# KiCad board PC110.kicad_pcb (continued)
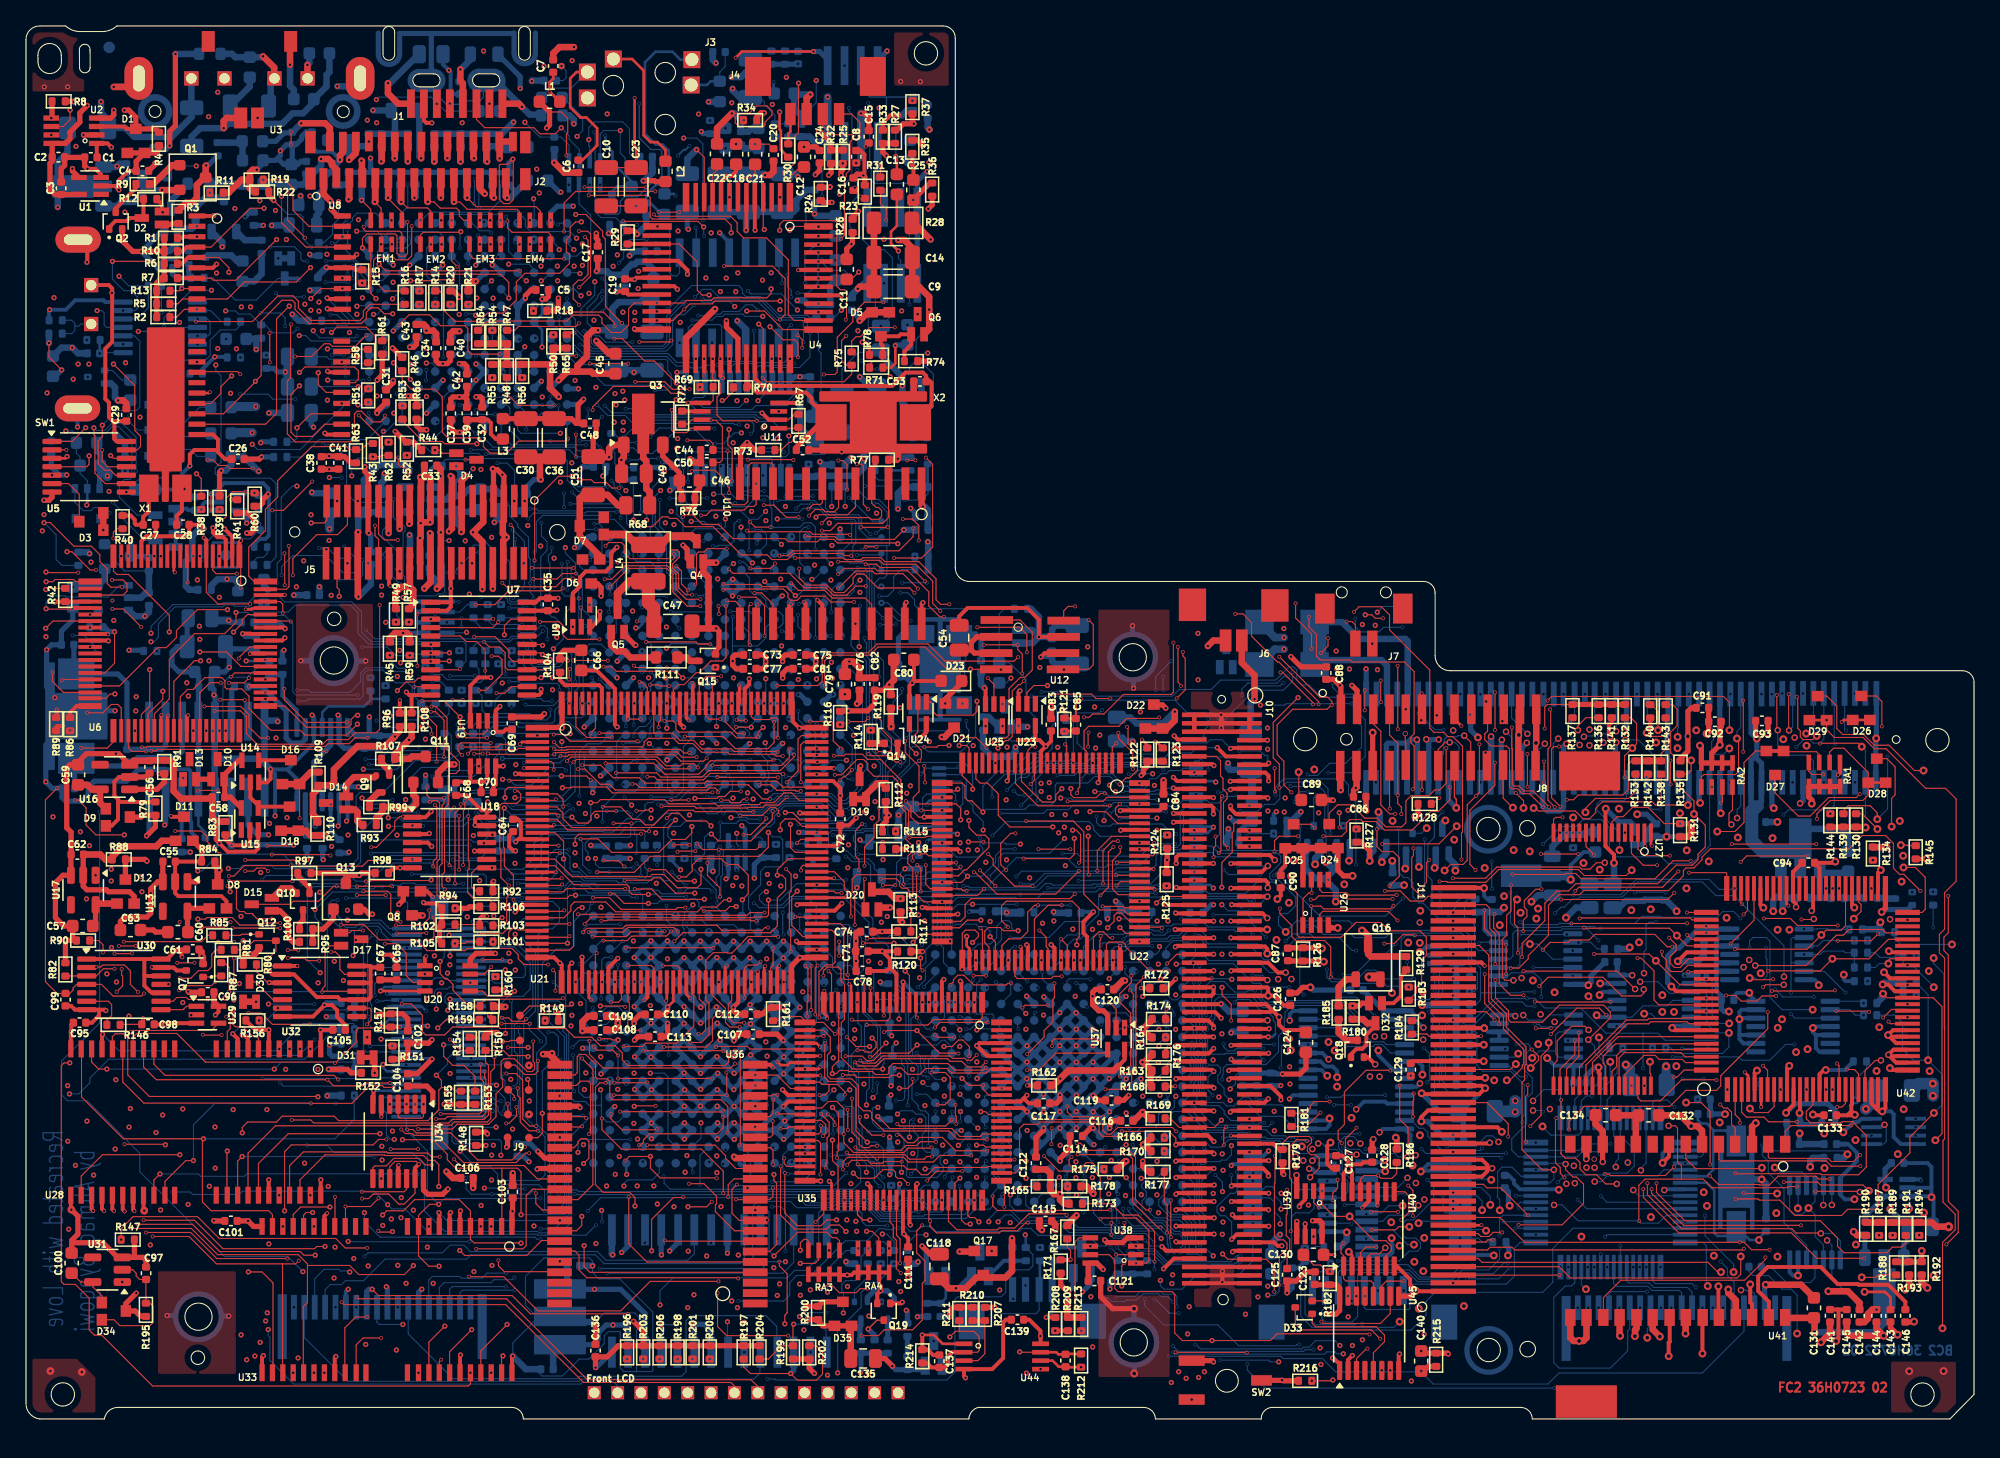
[diagram p0: board, top side]
## Routing (per net, layer and track width the routed paths; a pad name or vN(x,y) marks a point on that pad's centre or on a via; arc(x,y) is an arc through that point) (continued)
  BC2 w0.08: v7(58.96,71.39) 59.18,71.61 61.01,71.61 61.58,71.04 61.58,70.19 61.9,69.87 62.35,69.87 62.54,69.68 64.12,69.68 64.34,69.46 64.34,68.89 v7(65.05,68.18) ; v7(42.68,82.79) 42.81,82.79 43.5,82.1 49.44,82.1 50.12,81.42 51.35,81.42 51.44,81.33 v7(51.6,81.33) ; v7(51.62,78.34) 51.76,78.34 52.15,77.95 54.95,77.95 v1(55.49,78.49) ; v1(55.18,40.01) 55.22,39.97 55.22,38.85 U76.K1 ; 62.7,64.18 62.33,64.18 62.03,63.88 v7(62.03,62.17) ; U51.M9 40.41,82.54 v7(40.39,82.56)
CPU_A15: length 146.8
  FC2 w0.08: v3(41.26,41.68) 41.2,41.62 U21.24 ; v1(57.18,45.2) 57.18,44.06 56.48,43.36 48.09,43.36 46.86,42.13 v3(44,42.13)
  FC1 w0.08: v3(41.26,41.68) 43.55,41.68 v3(44,42.13)
  IC2 w0.08: v1(54.59,85.73) 54.06,85.73 52.33,84 52.33,78.19 53.34,77.18 56.18,77.18 56.41,76.95 57.11,76.95 57.42,76.64 57.42,74.25 60.34,71.33 62.76,71.33 63.54,70.55 63.54,70.01 64.7,68.85 64.7,57.15 63.1,55.55 57.1,55.55 55.42,53.87 55.42,53.04 55.78,52.68 57.39,52.68 57.63,52.44 57.63,49.91 56.54,48.82 56.54,48.13 56.98,47.69 59.59,47.69 60.06,47.22 60.06,46.48 59.81,46.23 57.72,46.23 57.18,45.69 v1(57.18,45.2)
  BC1 w0.08: v1(54.59,85.73) 54.59,85.69 55.48,84.8 55.48,83.68 56.16,83 55.52,83.64 58.75,80.41 58.75,77.02 59.64,76.13 59.64,74.7 59.64,75.86 59.64,70.81 59.84,70.61 59.84,69.91 59.42,69.49 59.42,68.67 59.52,68.57 59.52,64.46 59.9,64.08 v7(60.82,64.08) ; v7(38.03,83.19) 38.68,83.84 v7(42.99,83.84)
  BC2 w0.08: 61.44,64.18 61.35,64.09 60.83,64.09 v7(60.82,64.08) ; U76.L2 56.1,37.49 55.8,37.79 55.8,39.19 55.66,39.33 55.66,40.24 56.59,41.17 56.59,42.21 56.93,42.55 58.14,42.55 58.29,42.7 58.29,44.64 58.07,44.86 57.52,44.86 v1(57.18,45.2) ; v1(54.59,85.73) 54.19,86.13 52.96,86.13 52.9,86.07 52.09,86.07 51.98,86.18 50.55,86.18 49.36,84.99 49.36,82.98 49.06,82.68 43.8,82.68 43.56,82.92 43.56,83.34 43.56,83.34 43.56,83.42 43.14,83.84 v7(42.99,83.84) ; U51.K8 37.94,83.19 v7(38.03,83.19)
CPU_A16: length 293.4
  FC2 w0.08: v3(43.67,40.17) 44.95,40.17 45.85,39.27 50.07,39.27 50.21,39.41 v3(50.79,39.41) ; v3(52.2,39.16) 53.88,39.16 54.21,39.49 v1(54.7,39.49) ; U21.25 41.22,41.12 v3(41.29,41.19)
  FC1 w0.08: v3(41.29,41.19) 43.12,41.19 43.67,40.64 v3(43.67,40.17) ; v3(52.2,39.16) 51.04,39.16 v3(50.79,39.41)
  IC3 w0.08: v1(55.34,7.45) 55.34,7.01 54.77,6.44 33.83,6.44 33.59,6.68 28.59,6.68 28.55,6.72 28.51,6.72 28.25,6.98 24.17,6.98 17.74,13.41 v1(9.58,13.41) ; v1(53.94,87.92) 53.94,87.97 51.07,90.84 49.73,90.84 46.27,94.3 46.27,95.55 43.97,97.85 21.95,97.85 21.37,98.43 17.88,98.43 17.54,98.09 12.51,98.09 9.52,95.1 9.52,93.26 6.22,89.96 6.22,78.88 7.9,77.2 v1(8.79,77.2)
  IC4 w0.08: v1(9.58,13.41) 9.58,16.41 9.46,16.53 9.46,16.58 9.45,16.59 9.45,22.36 9.9,22.81 10.6,22.81 11.09,23.3 11.09,32.05 10.46,32.68 10.46,36.45 7.96,38.95 7.96,46.99 11.02,50.05 11.02,57.7 8.78,59.94 8.78,74.43 9.53,75.18 9.53,76.46 v1(8.79,77.2) ; v1(55.34,7.45) 55.24,7.55 55.24,38.95 v1(54.7,39.49) ; v1(53.94,87.92) 53.94,87.03 55.06,85.91 55.06,85.1 55.41,84.75 55.41,80.14 54.24,78.97 54.24,77.86 53.68,77.3 53.68,71.99 v1(52.96,71.27)
  BC1 w0.08: v1(54.7,39.49) 54.69,39.48 54.69,38.82 55.32,38.19 v7(56.34,38.19) ; v1(52.96,71.27) 52.95,71.28 52.95,71.83 51.58,73.2 51.58,74.16 50.89,74.85 50.89,76.88 49.3,78.47 v7(49.3,79.64) ; v7(58.92,62.35) 58.6,62.67 56.9,62.67 56.1,63.47 56.1,64.99 56.42,65.31 56.42,66.37 56.65,66.6 56.65,67.77 56.4,68.02 55.95,68.02 55.52,68.45 55.52,69.15 55.15,69.52 55.15,70.49 55.27,70.61 v7(55.27,70.89)
  BC2 w0.08: U76.L1 56.4,38.25 v7(56.34,38.19) ; v7(58.92,62.35) U61.N5 ; v1(52.96,71.27) 52.97,71.26 54.35,71.26 54.72,70.89 v7(55.27,70.89) ; U51.N10 43.51,80.72 44.57,79.66 49.28,79.66 v7(49.3,79.64)
CPU_A17: length 83.1
  FC2 w0.08: v3(50.99,63.85) 50.49,64.35 50.49,65.34 v3(50.1,65.73) ; v3(46.89,40.84) 48.17,40.84 48.97,40.04 52.24,40.04 v1(52.25,40.05) ; v3(53.72,64.36) 53.77,64.31 56.55,64.31 56.72,64.14 58.57,64.14 v1(59.26,63.45) ; v3(46.16,40.86) 46.15,40.87 41.66,40.87 41.41,40.62 U21.26
  FC1 w0.08: v3(53.72,64.36) 53.21,63.85 v3(50.99,63.85) 50.99,55.8 50.2,55.01 50.2,46.92 50.65,46.47 50.65,43.42 51.08,42.99 51.08,41.29 51.35,41.02 51.85,41.02 52.25,40.62 v1(52.25,40.05) ; v1(46.12,78.53) 46.63,78.53 47.83,77.33 47.83,70.12 48.24,69.71 48.24,66.4 48.91,65.73 v3(50.1,65.73) ; v3(46.89,40.84) 46.18,40.84 v3(46.16,40.86)
  BC1 w0.08: v1(52.25,40.05) 53.37,40.05 53.57,39.85 53.57,37.94 54.26,37.25 56.56,37.25 56.74,37.43 v7(57.49,37.43) ; v7(39.14,81.33) 39.18,81.29 42.15,81.29 43.36,80.08 43.36,79.55 44.38,78.53 v1(46.12,78.53)
  BC2 w0.08: v1(59.26,63.45) 59.44,63.45 60.17,64.18 60.17,64.18 ; v7(39.14,81.33) U51.L9
CPU_A18: length 110.2
  FC2 w0.08: v1(42.33,40.36) 41.9,40.36 41.66,40.12 U21.27
  BC1 w0.08: v7(47.04,40.19) 47.04,41.97 47.19,42.12 48.24,42.12 48.41,42.29 49.31,42.29 49.45,42.15 v7(49.76,42.15) ; v7(53.45,44.09) 53.45,45.34 53.79,45.68 53.79,46.2 53.72,46.27 v7(53.72,46.66) ; v7(44.58,78.09) 43.06,79.61 43.06,79.91 42.3,80.67 v7(41.05,80.67) ; v7(64.43,65.17) 64.43,66.96 v7(64.41,66.98) ; v7(50.81,41.15) 51.11,41.15 51.25,41.01 52.03,41.01 52.73,40.31 v7(53.48,40.31) 53.75,40.04 53.75,38.06 54.36,37.45 56.49,37.45 57.19,38.15 v7(58.96,38.15) ; v7(63.83,60.5) 65.5,60.5 66.09,61.09 66.09,61.36 65.99,61.46 v7(65.99,61.73) ; v7(64.04,71.63) 64.04,74.27 63.34,74.97 61.73,74.97 v7(61.74,74.96) ; v7(57.49,47.62) 57.49,46.47 57.3,46.28 v7(57.05,46.28)
  BC2 w0.08: v7(64.04,71.63) 64.8,70.87 65.68,70.87 66.51,70.04 66.51,67.34 66.47,67.3 66.31,67.3 ; v7(49.76,42.15) 50.76,41.15 v7(50.81,41.15) ; v7(53.45,44.09) 53.71,43.83 53.71,43.17 53.65,43.11 53.65,41.91 53.53,41.79 53.53,40.36 v7(53.48,40.31) ; v7(44.58,78.09) 45.14,77.53 46.57,77.53 46.83,77.27 47.39,77.27 47.45,77.21 56.12,77.21 56.45,76.88 57.52,76.88 58.17,76.23 58.99,76.23 59.31,75.91 59.31,74.87 59.84,74.34 61.52,74.34 61.74,74.56 v7(61.74,74.96) ; 66.31,67.3 66.31,65.02 66.09,64.8 65.75,64.8 65.34,64.39 65.34,62.43 65.99,61.78 v7(65.99,61.73) ; 66.31,67.3 64.73,67.3 v7(64.41,66.98) ; v7(58.96,38.15) 58.94,38.17 U76.N1 ; U51.M10 41,80.72 v7(41.05,80.67) ; v7(53.72,46.66) 53.97,46.91 54.55,46.91 54.86,46.6 56.73,46.6 v7(57.05,46.28) ; v1(42.33,40.36) 46.46,40.36 46.63,40.19 v7(47.04,40.19) ; v7(63.83,60.5) 63.77,60.5 63.56,60.29 63.56,59.58 64.73,58.41 64.73,50.07 64.38,49.72 64.38,48.58 63.21,47.41 62.52,47.41 61.93,48 57.87,48 v7(57.49,47.62) ; v7(64.43,65.17) 63.95,65.17 63.7,65.42 62.72,65.42
CPU_A19: length 86.5
  FC2 w0.08: v3(56.89,39.02) 55.76,39.02 55.55,38.81 49.79,38.81 49.71,38.89 v3(42.52,38.89) ; v3(41.47,39.19) 41.4,39.12 U21.29
  FC1 w0.08: v1(59.28,41.83) 59.88,41.23 59.88,39.33 59.57,39.02 v3(56.89,39.02) ; v3(41.47,39.19) 41.76,39.19 42.06,38.89 v3(42.52,38.89)
  IC3 w0.08: v1(41.17,72.2) 41.27,72.2 42.64,70.83 47.34,70.83 47.75,70.42 47.79,70.42 48.25,69.96 48.25,68.68 49.03,67.9 58.61,67.9 60.22,66.29 60.22,65.49 60.53,65.18 v1(60.53,64.7)
  IC4 w0.08: v1(59.28,41.83) 59.79,41.83 60.75,42.79 60.75,56.44 60.38,56.81 60.38,59.21 60.55,59.38 60.55,64.68 v1(60.53,64.7)
  BC1 w0.08: v7(58.29,39.03) 58.43,39.17 59.58,39.17 59.83,39.42 59.83,41.28 v1(59.28,41.83) ; v7(60.21,36.9) 59.78,37.33 v7(58.35,37.33) ; v7(41.69,75.41) 41.69,72.72 v1(41.17,72.2)
  BC2 w0.08: v7(58.35,37.33) 58.29,37.39 v7(58.29,39.03) ; v7(60.21,36.9) U76.P2 ; 61.44,65.45 61.43,65.45 60.68,64.7 v1(60.53,64.7) ; v7(41.69,75.41) 41.68,75.42 U51.N13
CPU_A20: length 205.5
  FC2 w0.08: U21.30 41.43,38.62 41.97,39.16 41.97,39.56 42.25,39.84 44.66,39.84 45.42,39.08 51.71,39.08 52.08,39.45 53.21,39.45 53.77,40.01 v1(54.17,40.01)
  IC2 w0.08: v1(50.39,84.51) 50.39,83.57 51.95,82.01 51.95,76.32 53.62,74.65 56.34,74.65 59.96,71.03 60.42,71.03 61.88,69.57 v1(61.88,69.04)
  IC3 w0.08: v1(50.39,84.51) 48.22,82.34 43.63,82.34 42.37,83.6 37.37,83.6 35.22,85.75 34.51,85.75 33.3,84.54 22.27,84.54 21.02,85.79 21.02,86.16 20.72,86.46 19.49,86.46 17.6,84.57 11.9,84.57 v1(11.83,84.5) ; v1(54.17,40.01) 53.49,40.01 52.5,41 50.34,41 49.02,42.32 46.14,42.32 43.67,44.79 40.47,44.79 39.01,43.33 36.56,43.33 35.95,42.72 30,42.72 25.18,47.54 17.84,47.54 5.57,59.81 5.57,60.31 6.76,61.5 v1(6.76,61.54)
  BC1 w0.08: v7(40.39,78.77) 40.39,78.19 40.78,77.8 v7(43.31,77.8) ; v1(61.88,69.04) 61.55,68.71 v7(60.28,68.71) ; v7(43.3,77.17) 44.77,75.7 v7(46.07,75.7) ; v1(6.76,61.54) 6.77,61.54 7.98,62.75 7.98,64.25 9.49,65.76 9.49,74.9 8.35,76.04 8.35,79.23 8.54,79.42 8.54,80.83 8.12,81.25 8.12,84.16 8.72,84.76 11.57,84.76 v1(11.83,84.5) ; v7(48.11,76.22) 48.09,76.24 48.09,83.1 48.43,83.44 49.33,83.44 50.39,84.5 v1(50.39,84.51) ; v7(60.22,38.17) 59.92,38.47 57.16,38.47 56.48,37.79 55.27,37.79 54.17,38.89 v1(54.17,40.01)
  BC2 w0.08: v7(43.3,77.17) 43.3,77.79 v7(43.31,77.8) ; 60.17,65.45 59.6,66.02 59.6,68.37 59.94,68.71 v7(60.28,68.71) ; v7(48.11,76.22) 46.59,76.22 v7(46.07,75.7) ; v7(60.22,38.17) 60.21,38.18 U76.P1 ; v7(40.39,78.77) 40.41,78.75 U51.M12
CPU_A20M#: length 65.4
  FC1 w0.08: v1(45.35,24.08) 44.97,24.08 44.6,24.45 40.05,24.45 39.07,23.47 v3(38.75,23.47)
  IC2 w0.08: v1(53.14,69.57) 51.69,68.12 51.69,55.5 50.97,54.78 47.7,54.78 47.4,54.48 47.4,54.44 47.17,54.21 47.17,41.72 46.47,41.02 46.47,37.31 46.42,37.27 46.42,36.5 46.47,36.45 46.47,27.23 46.1,26.86 46.1,24.83 v1(45.35,24.08)
  BC1 w0.08: v1(53.14,69.57) 53.14,68.77 53.38,68.53 53.78,68.53 54.06,68.25 54.06,65.95 53.26,65.15 52.87,65.15 v7(52.54,64.82)
  BC2 w0.08: 52.55,65.45 52.55,64.83 v7(52.54,64.82)
  BC2 w0.4: U76.B13 44.97,23.7 v1(45.35,24.08)
CPU_A21: length 103.4
  FC2 w0.08: v3(43.03,38.15) 43.56,38.68 47.19,38.68 47.24,38.63 56.02,38.63 56.08,38.69 57.04,38.69 57.19,38.84 v1(57.19,39.99) ; v3(41.86,38.15) 39.39,38.15 U21.31
  FC1 w0.08: v3(43.03,38.15) v3(41.86,38.15)
  BC1 w0.08: v7(58.5,71.1) 58.5,73.88 58.37,74.01 v7(58.37,74.5) ; v7(63.6,69.04) 63.6,69.22 62.93,69.89 61.85,69.89 v7(60.61,71.13) ; v7(65.72,57.19) 64.54,56.01 64.54,55.35 65.45,54.44 v7(65.48,54.44) ; v7(42.65,75.39) 42.65,76.92 42.43,77.14 39.03,77.14 38.15,78.02 38.15,79.16 v7(37.99,79.32) ; v7(63.93,43.93) 64.28,43.93 64.4,43.81 64.4,40.68 64.31,40.59 v7(64.31,40.15) 64.31,39.69 64.05,39.43 64.05,37.3 64.37,36.98 64.37,36.57 64.17,36.37 63.72,36.37 63.62,36.47 63.28,36.47 v7(62.97,36.16) ; v7(44.23,74.87) 44.27,74.83 v7(45.98,74.83)
  BC2 w0.08: v7(58.37,74.5) 58.05,74.82 52.96,74.82 51.61,76.17 50.04,76.17 48.28,74.41 47.23,74.41 46.81,74.83 v7(45.98,74.83) ; v7(60.61,71.13) 60.58,71.1 v7(58.5,71.1) ; 62.7,66.72 62.71,66.72 63.6,67.61 v7(63.6,69.04) ; 62.72,66.69 63.46,65.95 64.72,65.95 64.96,65.71 64.96,60.87 65.12,60.71 65.12,59.03 65.72,58.43 v7(65.72,57.19) ; v7(64.31,40.15) 63.91,40.15 62.81,41.25 59.35,41.25 58.09,39.99 v1(57.19,39.99) ; v7(42.65,75.39) 43.71,75.39 v7(44.23,74.87) ; v7(65.48,54.44) 65.48,52.79 66.68,51.59 66.68,51.16 66.21,50.69 66.21,47.57 65.75,47.11 65.75,46.28 65.97,46.06 65.97,45.58 65.7,45.31 64.61,45.31 64.48,45.18 64.02,45.18 63.73,44.89 63.73,44.56 63.93,44.36 v7(63.93,43.93) ; v7(37.99,79.32) 37.99,79.33 U51.K11
CPU_A22: length 149.6
  FC2 w0.08: v3(37.79,36.61) 37.72,36.61 37.18,37.15 37.18,37.5 37.47,37.79 37.81,37.79 37.92,37.68 39.3,37.68 U21.32 ; v3(39.29,22.57) 38.81,22.57 38.26,23.12 38.26,26.11 37.75,26.62 v3(37,26.62)
  FC1 w0.08: 37.8,36.6 38.18,36.22 38.18,32.88 37.62,32.32 37.62,26.87 37.37,26.62 v3(37,26.62) ; v3(39.29,22.57) 40.02,22.57 40.48,22.11 40.48,20.7 43.64,17.54 44.91,17.54 45.39,18.02 v1(45.39,18.85)
  BC1 w0.08: v7(61.43,68.07) 61.65,68.07 62.31,68.73 62.31,69.48 ; v7(49.11,18.69) 47.05,18.69 46.56,19.18 45.72,19.18 v1(45.39,18.85) ; 62.31,69.48 61.63,69.48 61.18,69.03 60.66,69.03 60.05,69.64 60.05,70.7 59.82,70.93 59.82,76.45 v7(59.14,77.13) ; 62.31,69.48 62.43,69.48 63.1,68.81 63.1,68.63 63.26,68.47 64.31,68.47 64.62,68.78 65.66,68.78 65.98,68.46 65.98,64.83 66.42,64.39 66.42,62.9 66.29,62.77 v7(66.29,62.39) ; v7(61.18,45.53) 61.18,42.43 61.12,42.37 v7(61.12,36.6) ; v7(44.37,77.24) 45.6,77.24 46.19,77.83 v7(46.19,77.85) ; v7(63.35,26.4) 63,26.05 v7(63,24.08) ; v7(41.04,76.84) v7(42.31,76.84) ; v7(64.64,45.77) 65.28,45.77 65.58,46.07 65.58,46.67 64.79,47.46 64.79,47.88 v7(65.49,48.58) ; v7(68.14,61.51) 68.14,58.38 68.68,57.84 68.68,56.42 68.01,55.75 65.62,55.75 v7(65.27,55.4)
  BC2 w0.08: v7(64.64,45.77) 64.26,45.77 64.02,45.53 v7(61.18,45.53) ; v7(63,24.08) 63.66,24.08 63.77,23.97 63.77,22.12 63.99,21.9 63.99,19.54 64.29,19.24 64.29,18.24 63.75,17.7 49.62,17.7 49.15,18.17 49.15,18.65 v7(49.11,18.69) ; v7(44.37,77.24) 43.64,76.51 42.64,76.51 v7(42.31,76.84) ; v7(46.19,77.85) 46.76,77.85 47.16,77.45 47.57,77.45 47.63,77.39 56.22,77.39 56.48,77.13 v7(59.14,77.13) ; 61.44,67.99 61.43,68 v7(61.43,68.07) ; v7(68.14,61.51) 67.17,61.51 v7(66.29,62.39) ; v7(65.27,55.4) 65.27,55.03 65.19,54.95 65.19,51.5 65.99,50.7 65.99,49.08 v7(65.49,48.58) ; v7(63.35,26.4) 63.35,34.07 63.11,34.31 62.49,34.31 62.13,34.67 62.13,35.57 U76.R3 61.12,36.58 v7(61.12,36.6) ; U51.M13 40.97,76.91 v7(41.04,76.84)
CPU_A23: length 117.8
  FC2 w0.08: v3(49.71,47.7) 51.03,47.7 v3(51.04,47.71) ; v3(41.86,37.2) 41.78,37.12 U21.33 ; v3(43.65,37.17) 46.22,37.17 46.59,37.54 49.1,37.54 49.14,37.58 v3(49.19,37.58) ; v3(47.3,68.76) 48.24,68.76 49,69.52 49.45,69.52 49.57,69.4 50.13,69.4 50.77,68.76 52.93,68.76 55.1,66.59 57.1,66.59 57.46,66.23 58.66,66.23 59.13,66.7 62.89,66.7 63.06,66.53 v3(63.56,66.53) ; v3(51.11,44.25) 49.93,44.25 v3(49.89,44.21)
  FC1 w0.08: v3(49.19,37.58) 49.17,37.6 49.17,39.58 49.79,40.2 49.79,43.85 49.89,43.95 v3(49.89,44.21) ; v3(51.04,47.71) 51.04,47.36 51.55,46.85 51.55,46.35 51.29,46.09 51.06,46.09 50.86,45.89 50.86,44.5 v3(51.11,44.25) 51.11,43.4 51.55,42.96 51.55,42.18 52.94,40.79 52.94,39.91 52.65,39.62 v1(51.37,39.62) ; v3(43.65,37.17) 41.89,37.17 v3(41.86,37.2) ; v1(45.99,76.18) 46,76.18 47.26,74.92 47.26,68.8 v3(47.3,68.76) 47.3,66.29 48.81,64.78 48.81,54.64 49.76,53.69 49.76,48.15 49.71,48.1 v3(49.71,47.7) ; v3(63.56,66.53) 63.56,65.17 63.47,65.08 63.47,60.22 v1(64.18,59.51)
  BC1 w0.08: v7(39.77,78.12) 40.33,77.56 42.69,77.56 42.76,77.49 43.54,77.49 44.85,76.18 v1(45.99,76.18) ; v7(59.1,64.02) 59.3,64.02 60.53,62.79 64.13,62.79 v7(64.24,62.68) ; v7(59.58,36.34) 58.39,36.34 57.51,35.46 57.51,35.22 57.29,35 54.31,35 53.94,35.37 53.94,36.88 53.48,37.34 50.7,37.34 v7(50.69,37.33)
  BC2 w0.08: 58.89,64.18 59.05,64.02 v7(59.1,64.02) ; v7(50.69,37.33) 50.69,37.77 50.59,37.87 50.59,38.42 50.71,38.54 50.71,38.96 v1(51.37,39.62) ; U76.P3 60.06,36.37 59.61,36.37 v7(59.58,36.34) ; v7(39.77,78.12) 39.71,78.18 U51.L12 ; v7(64.24,62.68) 64.24,60.61 64.18,60.55 v1(64.18,59.51)
CPU_A24: length 76.5
  FC2 w0.08: v1(41.71,36.66) 39.4,36.66 U21.34
  BC1 w0.08: v7(56.07,39.74) 55.41,40.4 53.88,40.4 53.63,40.65 v7(52.85,40.65) ; v7(63.74,34.73) 63.5,34.97 63.5,35.48 63.98,35.96 64.25,35.96 64.69,36.4 64.69,39.44 64.88,39.63 64.88,44.38 65.4,44.9 v7(66.39,44.9) ; v7(60.36,66.6) 60.65,66.31 63.33,66.31 v7(64.06,65.58)
  BC2 w0.08: v7(63.74,34.73) 63.52,34.95 U76.T4 63.19,35.39 63.44,35.39 64.36,36.31 64.36,37.07 63.34,38.09 61.13,38.09 60.86,38.36 60.86,39.52 60.3,40.08 59.03,40.08 58.35,39.4 56.48,39.4 56.14,39.74 v7(56.07,39.74) ; v7(64.06,65.58) 64.58,65.58 64.77,65.39 64.77,60.81 64.94,60.64 64.94,58.92 65.3,58.56 65.3,55.93 65.81,55.42 65.81,52.96 67.14,51.63 67.27,51.63 67.51,51.39 67.51,50.96 66.39,49.84 66.39,47.4 66,47.01 66,46.37 66.39,45.98 v7(66.39,44.9) ; v7(52.85,40.65) 52.62,40.88 50.96,40.88 50.55,40.47 48.95,40.47 48.67,40.75 48.36,40.75 48.22,40.89 47.46,40.89 47.28,40.71 43.72,40.71 43.37,41.06 42.77,41.06 42.63,41.2 41.95,41.2 41.71,40.96 v1(41.71,36.66)
CPU_A25: length 82.3
  FC2 w0.08: v1(42.84,39.41) 42.53,39.41 42.17,39.05 42.17,36.43 41.86,36.12 U21.35
  IC2 w0.08: v1(42.84,39.41) 42.84,41.33 41.93,42.24 41.93,44.67 43.57,46.31 43.57,46.74 44.21,47.38 44.21,48.9 43.82,49.29 43.82,49.81 44.38,50.37 44.38,58.64 45.78,60.04 49.65,60.04 50.04,60.43 50.04,68.27 50.4,68.63 50.4,69.62 50.21,69.81 50.21,71.11 51.21,72.11 56.07,72.11 57.87,70.31 v1(57.87,69.36)
  BC1 w0.08: v1(42.84,39.41) 42.85,39.41 42.86,39.42 43.36,39.42 43.86,38.92 43.86,34.25 44.43,33.68 45.83,33.68 45.87,33.72 59.16,33.72 60.09,34.65 60.41,34.65 60.5,34.74 61.5,34.74 v7(61.51,34.75) ; v7(59.79,69.36) 59.79,68.45 v7(60.16,68.08)
  BC2 w0.08: v1(57.87,69.36) v7(59.79,69.36) ; v7(61.51,34.75) 61.51,34.92 U76.R4 ; 60.17,67.99 60.16,68 v7(60.16,68.08)
CPU_A31: length 56.9
  BC1 w0.08: v7(67.81,61.92) 67.81,56.61 v7(67.47,56.27) ; v7(59.86,64.72) 59.86,67.06 60.25,67.45 61.57,67.45 61.88,67.76 63.95,67.76 64.75,68.56 65.62,68.56 65.77,68.41 65.77,64.67 66.24,64.2 66.24,63.24 v7(65.89,62.89) ; v7(62.43,33.07) 62.32,33.18 62.32,37.12 63.29,38.09 63.29,39.91 62.85,40.35 62.85,42.63 63.14,42.92 63.46,42.92 63.63,43.09 63.63,43.62 63.46,43.79 63.1,43.79 62.69,44.2 62.69,46.55 62.88,46.74 62.88,47.3 62.15,48.03 62.15,49.83 62.44,50.12 63.41,50.12 64.05,50.76 65.55,50.76 65.99,50.32 v7(67.34,50.32)
  BC2 w0.08: v7(62.43,33.07) 62.17,32.81 61.88,32.81 U76.R6 ; v7(65.89,62.89) 66.38,62.89 67.35,61.92 v7(67.81,61.92) ; v7(67.34,50.32) 67.38,50.32 67.77,50.71 67.77,51.97 66.79,52.95 66.79,55.27 67.47,55.95 v7(67.47,56.27) ; v7(59.86,64.72) 59.63,64.72 58.89,65.45
CPU_ADS#: length 93.6
  FC2 w0.08: v3(45.68,71.74) 45.14,71.74 44.72,72.16 43.77,72.16 43.55,72.38 v1(42.69,72.38)
  FC1 w0.08: v3(47.36,33.67) 47.36,34.01 47.53,34.18 47.53,40.63 48.18,41.28 v1(48.55,41.28) 48.55,44.48 48.92,44.85 48.92,45.4 48.68,45.64 48.02,45.64 47.58,46.08 47.58,50.55 46.78,51.35 46.78,52.68 48.41,54.31 48.41,61.83 46.1,64.14 46.1,69.12 45.69,69.53 45.69,71.73 v3(45.68,71.74)
  IC3 w0.08: v1(56.99,69.23) 56.99,68.84 56.49,68.34 49.3,68.34 48.45,69.19 48.45,70.21 47.63,71.03 44.04,71.03 v1(42.69,72.38)
  BC1 w0.08: v7(58.23,66.6) 58.61,66.98 58.61,67.59 58.46,67.74 58.46,68.2 57.43,69.23 v1(56.99,69.23) ; v7(38.54,76.25) 37.95,76.84 37.95,78.91 37.79,79.07 37.51,79.07 37.35,78.91 37.35,75.45 38.01,74.79 39.17,74.79 40.14,73.82 40.14,71.67 40.76,71.05 42.51,71.05 42.69,71.23 v1(42.69,72.38) ; v7(45.97,36.83) 46.43,37.29 47.01,37.29 47.25,37.05 47.65,37.05 48.4,37.8 48.4,40.19 48.54,40.33 48.54,40.38 48.55,40.39 v1(48.55,41.28)
  BC2 w0.08: 58.91,66.69 58.32,66.69 v7(58.23,66.6) ; U76.B3 45.36,36.22 v7(45.97,36.83) ; U51.K12 38.54,77.51 v7(38.54,76.25)
CPU_AHOLD: length 63.5
  BC1 w0.08: v7(54.47,53.53) 55.05,52.95 55.05,50.46 55.31,50.2 55.31,48.87 55.03,48.59 55.03,47.55 54.81,47.33 54.81,46.19 53.78,45.16 53.78,43.99 v7(53.4,43.61) ; 61.25,61.51 61.25,60.11 60.99,59.85 60.13,59.85 59.98,60 57.84,60 56.74,58.9 56.33,58.9 56.1,58.67 55.49,58.67 55.06,58.24 55.06,54.81 v7(54.47,54.22) ; v7(56.19,62.33) 57.01,61.51 61.98,61.51 62.15,61.68 64.65,61.68 65.27,62.3 65.27,63.52 v7(65.89,64.14) ; v7(45.08,35.57) 45.08,34.92 45.34,34.66 49.34,34.66 49.87,35.19 49.87,37.7 49.74,37.83 49.74,41.36 50.02,41.64 50.74,41.64 50.93,41.83 52.55,41.83 v7(53.16,41.22)
  BC2 w0.08: v7(54.47,54.22) v7(54.47,53.53) ; v7(53.4,43.61) 53.4,41.98 53.16,41.74 v7(53.16,41.22) ; U61.L5 56.19,62.7 v7(56.19,62.33) ; U76.A8 43.14,30.43 43.14,32.23 42.52,32.85 42.52,33.84 43.03,34.35 44.08,34.35 44.35,34.62 44.35,35.35 44.57,35.57 v7(45.08,35.57)
CPU_BE0#: length 95.7
  FC2 w0.08: J9.6 37.61,24.91 v3(37.61,24.66)
  FC1 w0.08: v3(37.61,24.66) 37.93,24.66 38.5,24.09 38.96,24.09 41.97,27.1 43.78,27.1 v1(44.29,26.59)
  IC2 w0.08: v1(52.98,70.63) 52.98,70 52.63,69.65 52.63,69.33 51.3,68 51.3,55.5 50.91,55.11 47.6,55.11 46.25,53.76 46.25,44.91 46.17,44.83 46.17,43 46.25,42.91 46.25,27.37 45.47,26.59 v1(44.29,26.59)
  BC1 w0.08: v1(52.98,70.63) 53.67,70.63 v7(53.97,70.93) 53.97,71.59 53.85,71.71 53.85,73.93 52.32,75.46 52.32,78.99 52.08,79.23 52.08,80.48 52.32,80.72 52.32,81.8 52.12,82 52.12,85.13 51.92,85.33 50.05,85.33 48.99,86.39 46.03,86.39 45.75,86.11 42.4,86.11 41.69,86.82 v7(40.38,86.82) ; v7(54.62,70.59) 54.62,67.93 55.09,67.46 v7(56.29,67.46)
  BC2 w0.08: v7(56.29,67.46) 56.36,67.53 56.36,67.99 ; v7(54.62,70.59) 54.31,70.59 v7(53.97,70.93) ; v7(40.38,86.82) 40.38,87.04 U51.M5
  BC2 w0.4: U76.B10 44.97,27.28 44.29,26.6 v1(44.29,26.59)
CPU_BE1#: length 174.7
  FC1 w0.08: v1(44.27,27.91) 43.63,27.27 40.05,27.27 39.87,27.09 38.9,27.09 v3(38.75,27.25)
  IC4 w0.08: v1(44.27,27.91) 43.94,27.58 42.7,27.58 42.14,28.14 42.14,29.1 42.35,29.31 42.35,30.63 43.13,31.41 43.13,32.23 42.68,32.68 41.56,32.68 41.33,32.45 41.33,31.07 41.01,30.75 39.58,30.75 38.6,31.73 38.6,35.9 37.88,36.62 37.32,36.62 36.94,37 36.94,37.83 37.19,38.08 37.19,38.92 36.41,39.7 36.41,41.87 36.29,41.99 36.29,48.81 36.09,49.01 36.09,53.83 35.12,54.8 35.12,60.81 34.58,61.35 34.58,67.64 35,68.06 35,70.62 33.33,72.29 33.33,73.76 32.73,74.36 32.73,77.48 31.47,78.74 31.47,80.01 30.07,81.41 30.07,85.57 31.59,87.09 39.62,87.09 40.09,87.56 40.09,97.37 39.39,98.07 39.39,104.55 39.59,104.75 40.22,104.75 40.41,104.56 40.41,100.25 40.65,100.01 40.65,98.66 42.78,96.53 42.78,93.07 43.32,92.53 43.32,91.96 43.3,91.94 43.3,88.86 43.15,88.71 43.15,88 42.85,87.7 42.39,87.7 41.94,87.25 41.94,81.31 42.3,80.95 v1(42.3,80.03)
  BC1 w0.08: v7(41.02,78.1) 41.67,78.1 ; 41.67,78.1 41.68,78.11 41.68,79.86 41.85,80.03 v1(42.3,80.03) ; 41.67,78.1 43.97,78.1 v7(44.01,78.14) ; v7(46.24,27.46) 45.79,27.91 v1(44.27,27.91) ; v7(54.93,76.64) 54.93,76.92 55.06,77.05 57.79,77.05 58.29,76.55 58.29,75.13 57.99,74.83 57.99,71.8 58.21,71.58 58.21,70.6 58.05,70.44 58.05,70.06 58.38,69.73 58.38,68.75 58.7,68.43 58.7,67.81 58.83,67.68 58.83,66.2 57.5,64.87 57.5,64.08 57.3,63.88 v7(56.98,63.88)
  BC2 w0.08: v7(44.01,78.14) 44.82,77.33 46.15,77.33 46.97,76.51 47.77,76.51 47.98,76.72 54.49,76.72 54.57,76.64 v7(54.93,76.64) ; 56.36,64.18 56.66,63.88 v7(56.98,63.88) ; U51.L13 39.14,76.92 39.77,77.55 40.83,77.55 41.02,77.74 v7(41.02,78.1)
CPU_BE2#: length 106.9
  FC2 w0.08: J9.8 37.12,24.28 v3(37.11,24.29)
  FC1 w0.08: v1(43.12,26.67) 41.93,26.67 39.14,23.88 38.39,23.88 37.92,24.35 37.17,24.35 v3(37.11,24.29)
  IC2 w0.08: 43.38,61.22 43.38,57.14 40.37,54.13 40.37,40.06 43.5,36.93 43.5,35.11 40.39,32 40.39,30.27 41.21,29.45 41.21,25.72 42.2,24.73 43.25,24.73 43.45,24.93 43.45,25.72 43.12,26.05 v1(43.12,26.67) ; 43.38,61.22 44.3,61.22 45.34,62.26 v1(46.73,62.26) ; 43.38,61.22 43.38,76.55 44.43,77.6 44.43,80.7 42.75,82.38 v1(42.75,86.56)
  BC1 w0.08: v1(43.12,26.67) 43.14,26.65 v7(43.7,26.65) ; v7(57.64,60.98) 57.32,60.98 56.75,60.41 53.06,60.41 52.57,60.9 v7(52.57,62.25) ; v7(49.33,63.41) 49.66,63.08 v7(49.66,62.19) ; v7(48.09,62.49) 47.74,62.84 47.31,62.84 v1(46.73,62.26)
  BC2 w0.08: v7(52.57,62.25) 52.51,62.19 v7(49.66,62.19) ; U51.N5 42.24,87.07 v1(42.75,86.56) ; 55.09,65.45 55.72,64.82 55.72,63.87 56.07,63.52 56.57,63.52 56.99,63.1 56.99,62.66 57.43,62.22 58,62.22 58.31,61.91 58.31,61.29 58,60.98 v7(57.64,60.98) ; v7(49.33,63.41) 48.49,63.41 48.09,63.01 v7(48.09,62.49) ; v7(43.7,26.65) U76.A11
CPU_BE3#: length 121.2
  FC2 w0.08: J9.5 38.72,26.1 v1(38.65,26.17)
  IC1 w0.08: v1(55.96,65.97) 55.51,65.97 54.96,66.52 52.44,66.52 51.59,65.67 39.98,65.67 38.99,66.66 38.99,68.35 39.13,68.49 39.13,70.31 39.78,70.96 46.78,70.96 47.1,71.28 47.1,77.09 46.45,77.74 44.75,77.74 43.9,78.59 v1(43.9,79.5)
  IC2 w0.08: v1(38.65,26.17) 38.76,26.17 39.45,26.86 39.45,26.87 39.45,30.15 39.16,30.43 37.9,30.43 37.61,30.72 36.07,30.72 35.49,31.3 35.49,32.94 35.99,33.44 38.15,33.44 39.46,34.75 39.46,55.81 38.66,56.61 38.66,62.53 42.87,66.74 42.87,71.11 41.69,72.29 41.69,74.14 42.64,75.09 42.64,76.88 43.9,78.14 v1(43.9,79.5)
  BC1 w0.08: v7(36.58,81.73) 36.86,81.73 36.98,81.61 40.2,81.61 40.32,81.49 42.41,81.49 43.9,80 v1(43.9,79.5) ; v7(44.96,26.19) 44.53,26.19 44.48,26.14 38.68,26.14 v1(38.65,26.17)
  BC2 w0.08: U51.J9 36.58,81.97 v7(36.58,81.73)
  BC2 w0.3: 55.09,66.72 55.2,66.72 55.95,65.97 v1(55.96,65.97)
CPU_BLAST#: length 51.3
  IC2 w0.08: v1(49.41,35.46) 49.89,35.94 49.89,43.28 50.58,43.97 50.54,44.01 50.54,51.59 52.45,53.5 52.45,58.15 58.13,63.83 v1(58.13,64.72)
  BC1 w0.08: v7(46.41,36.18) 48.69,36.18 v1(49.41,35.46) ; v7(59.33,70.17) 59.01,69.85 v7(59.01,68.01) 59.01,65.6 v1(58.13,64.72) ; v7(60.52,70.5) 60.27,70.75 60.27,71.28 60.42,71.43 61.32,71.43 61.75,71 v7(63.4,71)
  BC2 w0.08: v7(46.41,36.18) 46.28,36.18 U76.C3 ; v7(59.01,68.01) 58.92,68.01 58.89,67.99 ; v7(63.4,71) 65.21,69.19 J12.1 ; v7(59.33,70.17) 59.66,70.5 v7(60.52,70.5)
CPU_BRDY#: length 117
  FC2 w0.08: v1(36.69,29.08) 37.22,29.08 37.31,29.17 38.05,29.17
  IC2 w0.08: v1(36.69,29.08) 37.31,29.08 37.53,29.3 37.53,29.98 37.5,30.01 37.5,30.03 37.29,30.24 34.59,30.24 34.26,30.57 34.26,32.76 35.33,33.83 37.75,33.83 38.27,34.35 38.27,70.2 41.27,73.2 41.27,74.55 41.83,75.11 41.83,86.25 42.77,87.19 43.64,87.19 44.89,85.94 48.18,85.94 48.41,85.71 50.56,85.71 52.12,84.15 52.12,78.02 53.19,76.95 55.82,76.95 56.39,76.38 56.77,76.38 v1(56.78,76.39)
  BC1 w0.08: v7(44.97,33.11) 44.97,30.44 44.03,29.5 44.03,28.27 43.21,27.45 42.68,27.45 42.49,27.26 37.65,27.26 36.69,28.22 v1(36.69,29.08) ; v7(57.43,65.33) 57.43,65.73 57.29,65.87 57.29,68.12 56.55,68.86 56.55,71.87 57.16,72.48 57.16,73.39 57.01,73.54 57.01,75.08 57.27,75.34 57.27,75.9 v1(56.78,76.39)
  BC2 w0.08: v7(44.97,33.11) U76.B5
